# Altium PCB TIVA_3.PcbDoc
Units mm, origin at the board's own origin, x right, y up, seen from the top; angles counter-clockwise.
Board outline 50.8 x 66.04 mm, 2 copper layers (Top Layer, Bottom Layer); 44 components, 58 nets, 211 pads, 84 vias.
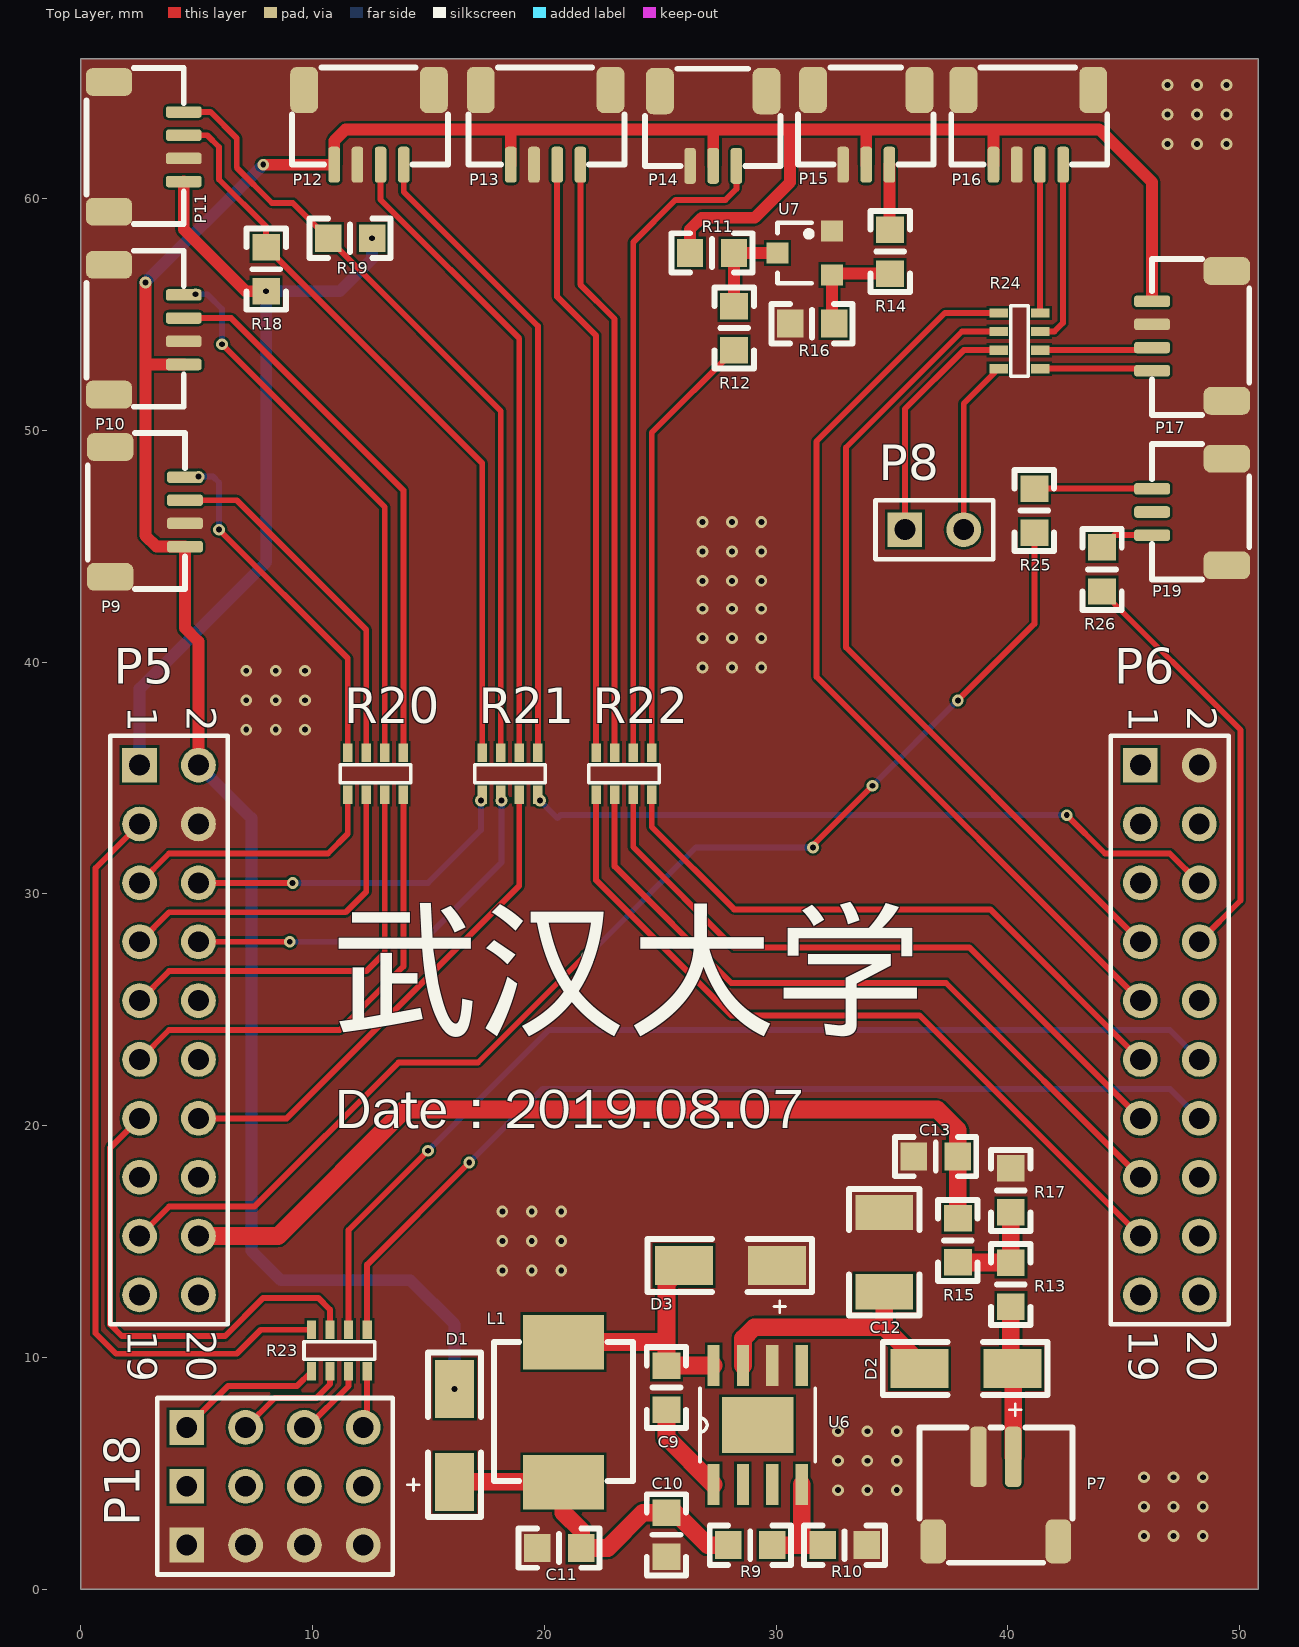
[diagram p0: Top Layer view]
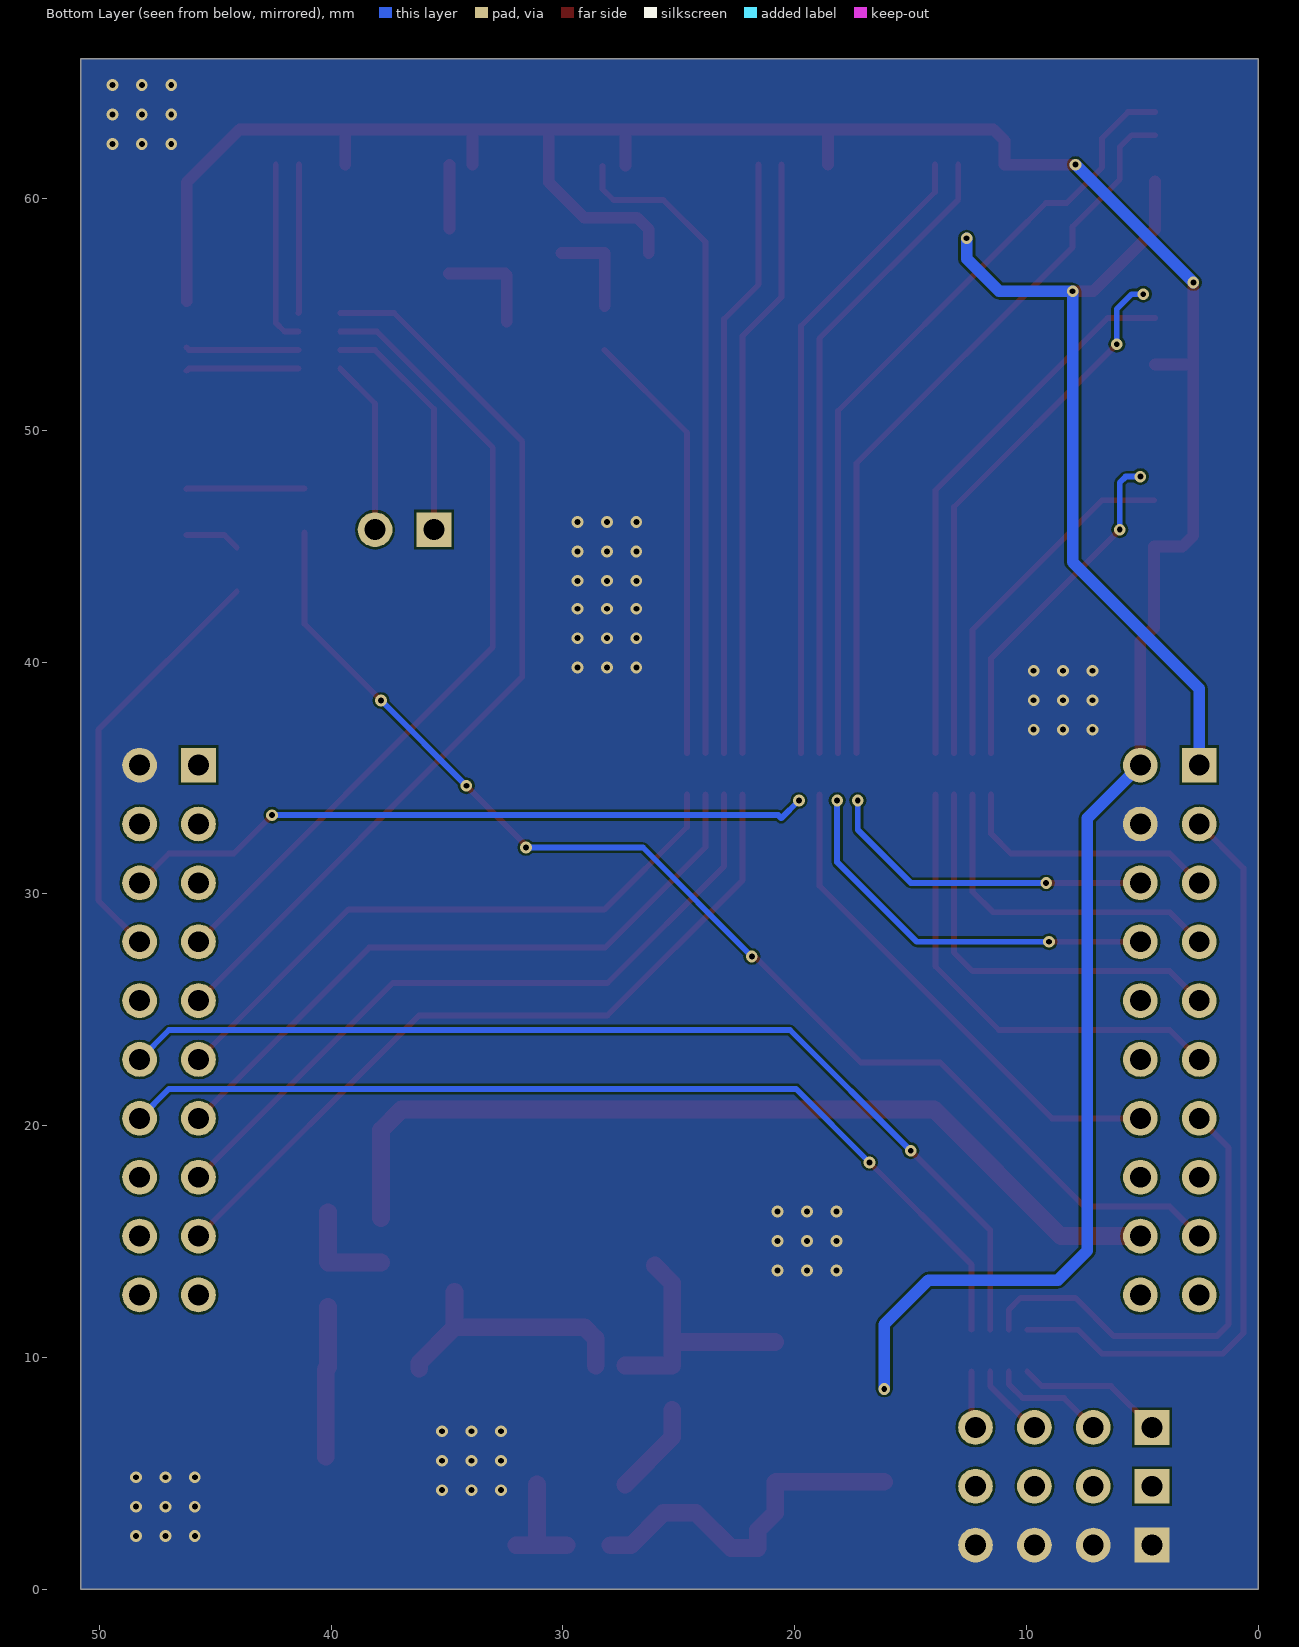
[diagram p1: Bottom Layer view, seen from below]

## Layer stack, top to bottom
Top Solder: solder mask 0.0102, Solder Resist, Dk 3.5
Top Layer: signal copper 0.0356
Dielectric 1: dielectric 0.32, FR-4, Dk 4.8
Bottom Layer: signal copper 0.0356
Bottom Solder: solder mask 0.0102, Solder Resist, Dk 3.5

## Board outline
0,0 50.8,0 50.8,66.04 0,66.04

## Design rules (kind name [scope] priority, off if disabled: settings)
Clearance [All] p1: gap=0.1 ignorepadtopadclearanceinfootprint=FALSE except(0: Arc-Hole Track-Hole SMDPad-Hole THPad-Hole Via-Hole Fill-Hole Poly-Hole Region-Hole Text-Hole)
HoleToHoleClearance [All] p1: gap=0.102 allowstackedmicrovias=TRUE
MinimumSolderMaskSliver [All] p1: minsoldermaskwidth=0.051
PlaneClearance [All] p1: clearance=0.254
PlaneConnect [All] p1: planeconnectstyle=Direct reliefexpansion=0.508 reliefentries=4 reliefconductorwidth=0.254 reliefairgap=0.254
PolygonConnect [All] p1: connectstyle=Direct reliefconductorwidth=0.254 reliefentries=4 polygonreliefangle="90 Angle" airgapwidth=0.254
RoutingVias [All] p1: holewidth=0.254 width=0.508 viastyle="Through Hole" minholewidth=0.051 minwidth=0.127 maxholewidth=0.711 maxwidth=1.27
SilkToSilkClearance [All] p1: silktosilkclearance=0
SilkToSolderMaskClearance [IsPad] p1: minsilkscreentomaskgap=0 clearancetoexposedcopper=TRUE
SolderMaskExpansion [All] p1: expansion=0.102
Width [All] p1: maxlimit=0.762 minlimit=0.127 preferedwidth=0.254 minimp=50.000000 maximp=50.000000 favimp=50.000000
24 further rules are at their usual default settings.

## Components (designator, comment, footprint, x,y, rotation, side; value= is the part's Value field where it differs from the comment)
C9 "10n" C_0805 25.273,9.652 r270 top
C10 "47u" C_0805 25.273,1.402 r90 top
C11 "10u" C_0805 19.69,1.778 r0 top
C12 "100u" C_1210 34.671,16.256 r270 top
C13 "0.1u" C_0805 35.941,18.669 r0 top
D1 "IN5819" SMA_SS14 16.129,4.636 r90 top
D2 "IN5819" SMA_SS14 40.195,9.525 r180 top
D3 "IN5819" SMA_SS14 30.035,13.97 r180 top
L1 "22u" L_06030 20.828,10.668 r270 top
P5 "Header 10X2" HDR2X10 2.54,35.56 r270 top
P6 "Header 10X2" HDR2X10 45.72,35.56 r270 top
P7 "ZH1.5_2P" ZH1.5_2P 38.735,5.715 r0 top
P8 "Header 2" HDR1X2 35.56,45.72 r0 top
P9 "UART1" SH1.0_4p 4.495,47.988 r270 top
P10 "UART2" SH1.0_4p 4.445,55.848 r270 top
P11 "IIC" SH1.0_4p 4.445,63.738 r270 top
P12 "UART3" SH1.0_4p 13.938,61.468 r180 top
P13 "UART4" SH1.0_4p 21.558,61.468 r180 top
P14 "SH1.0_3P" SH1.0_3P 28.291,61.418 r180 top
P15 "SH1.0_3P" SH1.0_3P 34.893,61.468 r180 top
P16 "UART5" SH1.0_4p 42.386,61.468 r180 top
P17 "UART6" SH1.0_4p 46.228,52.578 r90 top
P18 "HDR_3X4" HDR3X4 4.572,6.985 r0 top
P19 "SH1.0_3P" SH1.0_3P 46.228,45.482 r90 top
R9 "50k" R_0805 29.84,1.905 r180 top
R10 "15k" R_0805 33.909,1.905 r180 top
R11 "10k" R_0805 28.189,57.658 r180 top
R12 "1k" R_0805 28.194,55.367 r270 top
R13 "10k" R_0805 40.132,14.097 r270 top
R14 "1k" R_0805 34.925,56.769 r90 top
R15 "1k" R_0805 37.846,16.002 r270 top
R16 "1k" R_0805 32.507,54.61 r180 top
R17 "1k" R_0805 40.132,18.161 r270 top
R18 "10k" R_0805 8.001,57.907 r270 top
R19 "10k" R_0805 10.673,58.293 r0 top
R20 "1k" HDR_R_4 12.973,38.365 r90 top
R21 "1k" HDR_R_4 18.777,38.365 r90 top
R22 "1k" HDR_R_4 23.692,38.365 r90 top
R23 "1k" HDR_R_4 10.903,7.123 r270 top
R24 "1k" HDR_R_4 43.677,53.613 r0 top
R25 "1k" R_0805 41.148,45.593 r90 top
R26 "1k" R_0805 44.069,43.053 r90 top
U6 "TPS5430_DDA_8" DDA8_3P1X2P4 29.21,7.087 r90 top value=Value
U7 "SI2310" SOT_23 31.369,57.785 r180 top

## Footprints (in the part's own frame and the unit in brackets; to place one, negate y for a bottom-side part, rotate by r counter-clockwise, add the part's x,y. Pads: shape width x height; smd on the part's side, far side on the other; paste and mask are expansions set on the pad)
C_0805 [mm]
  rect 1.14x1.2 smd: 1(0,0) 2(1.9,0)
  silkscreen extent -0.8,-0.85 2.7,0.85
C_1210 [mm] "100u"
  rect 1.52x2.5 smd: 1(0,0) 2(3.42,0)
  silkscreen extent -1.02,-1.52 4.44,1.52
DDA8_3P1X2P4 [mil]
  rect 70x21 smd: 1(-101,75) 2(-101,25) 3(-101,-25) 4(-101,-75) 5(101,-75) 6(101,-25) 7(101,25) 8(101,75)
  rect 94.49x122.05 smd paste-60.52: EPAD(0,0)
  silkscreen extent -62,-98 62,98, body extent -122,-98 122,98, height 66
HDR1X2 [mm] "Connector; Header; 2 Position"
  rect 1.5x1.5 hole 0.9: 1(0,0)
  round 1.5 hole 0.9: 2(2.54,0)
  silkscreen extent -1.27,-1.27 3.81,1.27
HDR2X10 [mm] "Connector; Header; 10x2 Position"
  rect 1.5x1.5 hole 0.9: 1(0,0)
  round 1.5 hole 0.9: 2(0,2.54) 3(2.54,0) 4(2.54,2.54) 5(5.08,0) 6(5.08,2.54) 7(7.62,0) 8(7.62,2.54) 9(10.16,0) 10(10.16,2.54) 11(12.7,0) 12(12.7,2.54) 13(15.24,0) 14(15.24,2.54) 15(17.78,0) 16(17.78,2.54) 17(20.32,0) 18(20.32,2.54) 19(22.86,0) 20(22.86,2.54)
  silkscreen extent -1.27,-1.27 24.13,3.81
HDR3X4 [mm]
  rect 1.5x1.5 hole 0.9: 1(0,0) 5(0,-2.54) 9(0,-5.08)
  round 1.5 hole 0.9: 2(2.54,0) 3(5.08,0) 4(7.62,0) 6(2.54,-2.54) 7(5.08,-2.54) 8(7.62,-2.54) 10(2.54,-5.08) 11(5.08,-5.08) 12(7.62,-5.08)
  silkscreen extent -1.27,-6.35 8.89,1.27
HDR_R_4 [mm]
  rect 0.8x0.4 smd: 1(-4.075,1.454) 2(-4.075,0.654) 3(-4.075,-0.146) 4(-4.075,-0.946) 5(-2.275,1.454) 6(-2.275,0.654) 7(-2.275,-0.146) 8(-2.275,-0.946)
  silkscreen extent -3.56,-1.27 -2.79,1.78, body extent -3.94,-1.35 -2.34,1.85, height 0.59
L_06030 [mm]
  rect 2.35x3.5 smd: 1(0,0) 2(6.05,0)
  silkscreen extent 0,-3 6,3
R_0805 [mm]
  rect 1.14x1.2 smd: 1(0,0) 2(1.9,0)
  silkscreen extent -0.8,-0.85 2.7,0.85
SH1.0_3P [mm]
  rrect50% 0.5x1.55 smd: 1(0,0) 2(1,0) 3(2,0)
  rrect50% 1.2x2 smd: 4(-1.3,-3.225) 5(3.3,-3.225)
  silkscreen extent -1.91,-4.19 3.94,0
SH1.0_4p [mm]
  rrect50% 0.5x1.55 smd: 1(0,0) 2(1,0) 3(2,0) 4(3,0)
  rrect50% 1.2x2 smd: 5(-1.3,-3.225) 6(4.3,-3.225)
  silkscreen extent -1.91,-4.19 4.83,0
SMA_SS14 [mm]
  rect 2.5x1.7 smd: 1(0,0) 2(4,0)
  silkscreen extent -1.52,-1.14 5.59,2.03
SOT_23 [mm]
  rect 0.95x0.9 smd: 1(-1.048,1.077) 2(-1.048,-0.823) 3(1.302,0.127)
  silkscreen extent -0.17,-1.17 1.3,1.43, body extent -1.2,-1.37 1.3,1.63, height 1.12
ZH1.5_2P [mm]
  rrect50% 0.7x2.6 smd: 1(0,0) 2(1.5,0)
  rrect50% 1.1x1.9 smd: 3(-1.95,-3.65) 4(3.45,-3.65)
  silkscreen extent -2.54,-4.57 4.06,1.27

## Part data
C9 C10 C11 C13: library part C_0805
C12: library part C_1210
L1: library part L_06030
P5 P6: "Header, 10-Pin, Dual row", LatestRevisionDate=17-Jul-2002, LatestRevisionNote="Re-released for DXP Platform.", Publisher="Altium Limited"
P8: "Header, 2-Pin", LatestRevisionDate=17-Jul-2002, LatestRevisionNote="Re-released for DXP Platform.", Publisher="Altium Limited"
P9 P10 P12 P13 P16 P17: library part UART
R9 R10 R11 R12 R13 R14 R15 R16 R17 R18 R19 R25 R26: library part R_0805
R20 R21 R22 R23 R24: library part R_4
U6: "Imported", Manufacturer="Texas Instruments", Manufacturer_Part_Number=tps5430_dda_8, PACKAGE_DESIGNATOR=DDA, Datasheet_URL=http://www.ti.com/lit/gpn/TPS5430, FAMILY_NAME="STEP-DOWN REGULATOR", GENERIC_PART_NUMBER=TPS5430, INDUSTRY_STD_PKG_TYPE="SO PowerPAD", PIN_COUNT=8, RefDes=RefDes, Type=Type, Vendor="Texas Instruments"
U7: library part SI2310_2

## Via types
v1: diameter 0.508, hole 0.254, Top Layer to Bottom Layer, 84 vias

## Nets (pads, with @x,y where several pads share a name; then routed paths per layer and width w, separated by ;. In a path a pad name is that pad's centre, name@x,y a point inside that pad or via, vN(x,y) a via of type N, cw(c..) or ccw(c..) an arc to the next point about the centre after c; other vN are vias at no path point)
3.3V: P5.1 P11.4 R18.2 R19.2 | length 35.5
  Top Layer w0.508: P11.4 4.445,58.674 7.112,56.007 v1(8.001,56.007)
  Bottom Layer w0.508: P5.1 2.54,38.862 8.001,44.323 v1(8.001,56.007) 11.176,56.007 12.573,57.404 v1(12.573,58.293)
GND: C10.1 C11.1 C12.1 C13.1 D3.1 P5.4 P6.2 P7.1 P7.3 P7.4 P9.3 P9.5 P9.6 P10.3 P10.5 P10.6 P11.3 P11.5 P11.6 P12.3 P12.5 P12.6 P13.3 P13.5 P13.6 P14.3 P14.4 P14.5 P15.3 P15.4 P15.5 P16.3 P16.5 P16.6 P17.3 P17.5 P17.6 P18.9 P18.10 P18.11 P18.12 P19.4 P19.5 R10.1 R16.2 R17.1 U6.6 U7.2
  other v1: 45.878,2.293 47.148,2.293 48.418,2.293 45.878,3.563 47.148,3.563 48.418,3.563 32.67,4.276 33.94,4.276 35.21,4.276 45.878,4.833 47.148,4.833 48.418,4.833 32.67,5.546 33.94,5.546 35.21,5.546 32.67,6.816 33.94,6.816 35.21,6.816 18.192,13.756 19.462,13.756 20.732,13.756 18.192,15.026 19.462,15.026 20.732,15.026 18.192,16.296 19.462,16.296 20.732,16.296 7.143,37.091 8.413,37.091 9.683,37.091 7.143,38.361 8.413,38.361 9.683,38.361 7.143,39.631 8.413,39.631 9.683,39.631 26.828,39.77 28.098,39.77 29.368,39.77 26.828,41.04 28.098,41.04 29.368,41.04 26.828,42.31 28.098,42.31 29.368,42.31 26.828,43.513 28.098,43.513 29.368,43.513 26.828,44.783 28.098,44.783 29.368,44.783 26.828,46.053 28.098,46.053 29.368,46.053 46.894,62.364 48.164,62.364 49.434,62.364 46.894,63.634 48.164,63.634 49.434,63.634 46.894,64.904 48.164,64.904 49.434,64.904
I2C_SCL: P11.2 R18.1 R21.5 | length 32.6
  Top Layer w0.254: P11.2 5.461,62.738 5.969,62.23 5.969,60.833 8.001,58.801 R18.1 17.323,48.585 R21.5
I2C_SDA: P11.1 R19.1 R21.6 | length 34.5
  Top Layer w0.254: P11.1 5.604,63.738 6.731,62.611 6.731,61.341 8.255,59.817 9.149,59.817 R19.1 18.123,50.843 R21.6
NetC9_1: C9.1 D3.2 L1.1 U6.8 | length 11.2
  Top Layer w0.762: L1.1 25.146,10.668 25.273,10.795 ; D3.2 25.273,13.208 25.273,10.795 ; U6.8 C9.1 25.273,10.795
NetC9_2: C9.2 U6.1 | length 4.1
  Top Layer w0.762: C9.2 25.273,6.553 U6.1
NetC10_2: C10.2 C11.2 D1.1 L1.2 R9.2 | length 15.4
  Top Layer w0.762: D1.1 20.81,4.636 L1.2 20.828,3.302 21.59,2.54 C11.2 22.733,1.778 24.257,3.302 C10.2 25.654,3.302 27.051,1.905 R9.2
NetP19_1: P19.1 R26.2 | length 2.4
  Top Layer w0.254: R26.2 44.598,45.482 P19.1
NetP19_3: P19.3 R25.2 | length 5.1
  Top Layer w0.254: R25.2 46.217,47.493 P19.3
NetR9_1: R9.1 R10.2 U6.4 | length 4.8
  Top Layer w0.762: R9.1 31.115,1.905 ; U6.4 31.115,1.905 ; R10.2 31.115,1.905
NetR11_1: R11.1 R12.1 U7.3 | length 4.2
  Top Layer w0.254: R12.1@28.189,55.372 R12.1
  Top Layer w0.508: R12.1@28.189,55.372 R11.1 U7.3
NetR13_1: R13.1 R15.2 R17.2 | length 4.4
  Top Layer w0.762: R15.2 40.127,14.102 40.132,14.107 R17.2
NetR14_1: R14.1 R16.1 U7.1 | length 4.7
  Top Layer w0.254: R16.1@32.417,54.7 R16.1 ; U7.1 U7.1@32.478,56.769
  Top Layer w0.508: R16.1@32.417,54.7 U7.1 ; U7.1@32.478,56.769 R14.1
PA0_U0RX: P8.2 R24.4 | length 7.6
  Top Layer w0.254: P8.2 38.1,51.165 R24.4
PA1_U0TX: P8.1 R24.3 | length 10.3
  Top Layer w0.254: P8.1 35.56,50.927 38.1,53.467 R24.3
PA6: P5.17 R25.1 | length 53.5
  Top Layer w0.254: P5.17 3.81,16.51 7.493,16.51 13.716,22.733 17.145,22.733 21.717,27.305 v1(21.844,27.305) ; v1(31.593,32.004) 31.593,32.101 v1(34.163,34.671) ; v1(37.846,38.354) 41.148,41.656 R25.1
  Bottom Layer w0.254: v1(21.844,27.305) 26.543,32.004 v1(31.593,32.004) ; v1(34.163,34.671) v1(37.846,38.354)
PB0_U1RX: P5.5 R20.1 | length 11.5
  Top Layer w0.254: P5.5 3.81,31.75 10.668,31.75 11.519,32.601 R20.1
PB1_U1TX: P5.7 R20.2 | length 14.9
  Top Layer w0.254: P5.7 3.81,29.21 11.43,29.21 12.319,30.099 R20.2
PB4_PWMOUT2: P5.13 R23.3 | length 20.9
  Top Layer w0.254: P5.13 1.27,19.05 1.27,11.43 1.778,10.922 6.223,10.922 7.874,12.573 10.249,12.573 10.757,12.065 R23.3
PB5_PWMOUT3: P5.3 R23.4 | length 32.9
  Top Layer w0.254: P5.3 0.635,31.115 0.635,11.049 1.524,10.16 6.731,10.16 7.769,11.198 R23.4
PB6_PWMOUT0: P6.14 R23.1 | length 42.4
  Top Layer w0.254: R23.1 12.357,14.008 v1(16.764,18.415)
  Bottom Layer w0.254: v1(16.764,18.415) 19.939,21.59 46.99,21.59 P6.14
PB7_PWMOUT1: P6.12 R23.2 | length 45.1
  Top Layer w0.254: R23.2 11.557,15.494 v1(14.986,18.923)
  Bottom Layer w0.254: v1(14.986,18.923) 20.193,24.13 46.99,24.13 P6.12
PC4_U4RX: P6.7 R24.2 | length 35.2
  Top Layer w0.254: R24.2 38.024,54.267 33.02,49.263 33.02,40.64 P6.7
PC5_U4TX: P6.9 R24.1 | length 40.1
  Top Layer w0.254: R24.1 37.287,55.067 31.75,49.53 31.75,39.37 P6.9
PC6_U3RX_SBUS: P6.11 R22.4 | length 26.6
  Top Layer w0.254: R22.4 24.638,32.893 28.194,29.337 39.243,29.337 P6.11
PC7_U3TX_PPM: P6.13 R22.3 | length 29
  Top Layer w0.254: R22.3 23.838,32.028 28.18,27.686 38.354,27.686 P6.13
PD0_I2C3_SCL: P5.6 R21.1 | length 14.4
  Top Layer w0.254: P5.6 v1(9.144,30.48)
  Bottom Layer w0.254: v1(9.144,30.48) 14.986,30.48 17.272,32.766 v1(17.272,34.036)
PD1_I2C3_SDA: P5.8 R21.2 | length 17.2
  Top Layer w0.254: P5.8 v1(9.017,27.94)
  Bottom Layer w0.254: v1(9.017,27.94) 14.732,27.94 18.161,31.369 v1(18.161,34.036)
PD6_U2RX: P6.15 R22.2 | length 31.3
  Top Layer w0.254: R22.2 23.038,31.191 28.067,26.162 37.338,26.162 P6.15
PD7_U2TX: P6.17 R22.1 | length 33.5
  Top Layer w0.254: R22.1 22.238,30.594 28.067,24.765 36.195,24.765 P6.17
PE0_U7RX: P6.6 R21.4 | length 30
  Top Layer w0.254: v1(42.545,33.401) 44.196,31.75 46.99,31.75 P6.6
  Bottom Layer w0.254: v1(19.812,34.036) 20.574,33.274 20.701,33.401 v1(42.545,33.401)
PE1_U7TX: P5.14 R21.3 | length 21.9
  Top Layer w0.254: P5.14 8.89,20.32 18.923,30.353 R21.3
PE3_PowerInput: C13.2 P5.18 R15.1 | length 39.2
  Top Layer w0.762: P5.18 8.509,15.24 13.97,20.701 36.957,20.701 37.841,19.817 C13.2 37.846,18.664 R15.1
PE4_U5RX: P5.9 R20.3 | length 18.3
  Top Layer w0.254: P5.9 3.81,26.67 12.319,26.67 13.119,27.47 R20.3
PE5_U5TX: P5.11 R20.4 | length 20.5
  Top Layer w0.254: P5.11 3.81,24.13 11.176,24.13 13.919,26.873 R20.4
PF0: P6.8 R26.1 | length 18.3
  Top Layer w0.254: R26.1 50.038,37.084 50.038,29.718 P6.8
PPM_IN: P14.1 R22.7 | length 28.4
  Top Layer w0.254: R22.7 23.838,58.123 25.659,59.944 27.813,59.944 28.291,60.422 P14.1
PWMOUT0: P18.4 R23.5 | length 2.5
  Top Layer w0.254: P18.4 12.357,7.15 R23.5
PWMOUT1: P18.3 R23.6 | length 3.3
  Top Layer w0.254: P18.3 9.779,6.985 11.557,8.763 R23.6
PWMOUT2: P18.2 R23.7 | length 5
  Top Layer w0.254: P18.2 8.382,8.255 10.16,8.255 10.757,8.852 R23.7
PWMOUT3: P18.1 R23.8 | length 6.4
  Top Layer w0.254: P18.1 6.35,8.763 9.322,8.763 R23.8
SBUS_IN: P15.1 R14.2 | length 2.8
  Top Layer w0.254: R14.2@34.893,58.701 R14.2
  Top Layer w0.508: R14.2@34.893,58.701 P15.1
U3RX_SBUS: R12.2 R22.8 | length 18.8
  Top Layer w0.254: R22.8 24.638,49.911 R12.2
UART1_RX: P9.1 R20.5 | length 15
  Top Layer w0.254: v1(5.969,45.72) 11.519,40.17 R20.5
  Bottom Layer w0.254: v1(5.08,48.006) 5.715,48.006 5.969,47.752 v1(5.969,45.72)
UART1_TX: P9.2 R20.6 | length 15.4
  Top Layer w0.254: P9.2 6.733,46.988 12.319,41.402 R20.6
UART2_RX: P10.1 R20.7 | length 23.5
  Top Layer w0.254: v1(6.096,53.721) 13.119,46.698 R20.7
  Bottom Layer w0.254: v1(4.953,55.88) 5.461,55.88 6.096,55.245 v1(6.096,53.721)
UART2_TX: P10.2 R20.8 | length 23.9
  Top Layer w0.254: P10.2 6.493,54.848 13.919,47.422 R20.8
UART3_RX: P12.1 R21.8 | length 27.8
  Top Layer w0.254: P12.1 13.938,60.291 19.723,54.506 R21.8
UART3_TX: P12.2 R21.7 | length 27.9
  Top Layer w0.254: P12.2 12.938,59.96 18.923,53.975 R21.7
UART4_RX: P13.1 R22.6 | length 26
  Top Layer w0.254: P13.1 21.558,56.293 23.038,54.813 R22.6
UART4_TX: P13.2 R22.5 | length 26.1
  Top Layer w0.254: P13.2 20.558,55.769 22.238,54.089 R22.5
UART5_RX: P16.1 R24.6 | length 8
  Top Layer w0.254: R24.6 42.011,54.267 42.386,54.642 P16.1
UART5_TX: P16.2 R24.5 | length 6.4
  Top Layer w0.254: P16.2 41.386,55.083 R24.5
UART6_RX: P17.1 R24.8 | length 4.9
  Top Layer w0.254: R24.8 46.139,52.667 P17.1
UART6_TX: P17.2 R24.7 | length 4.9
  Top Layer w0.254: R24.7 46.117,53.467 P17.2
VBUS: D1.2 P5.2 P9.4 P10.4 P12.4 P13.4 P14.2 P15.2 P16.4 P17.4 R11.2 | length 126.4
  Top Layer w0.508: v1(2.794,56.388) 2.794,52.832 ; P10.4 2.81,52.848 2.794,52.832 ; P5.2 5.08,40.894 4.495,41.479 P9.4 3.272,44.988 2.794,45.466 2.794,52.832 ; v1(7.874,61.468) P12.4 10.938,62.5 11.43,62.992 18.542,62.992 ; P13.4 18.558,62.976 18.542,62.992 ; R11.2 26.289,58.674 26.797,59.182 29.083,59.182 30.607,60.706 30.607,62.992 ; P14.2 27.291,62.978 27.305,62.992 ; P15.2 33.893,62.976 33.909,62.992 ; P16.4 39.386,62.976 39.37,62.992 ; P17.4 46.228,60.706 43.942,62.992 39.37,62.992 ; 18.542,62.992 27.305,62.992 ; 27.305,62.992 30.607,62.992 ; 30.607,62.992 33.909,62.992 ; 33.909,62.992 39.37,62.992
  Bottom Layer w0.508: v1(2.794,56.388) v1(7.874,61.468) ; P5.2 7.366,33.274 7.366,14.605 8.636,13.335 14.224,13.335 16.129,11.43 v1(16.129,8.636)
VCC_12V: D2.1 P7.2 R13.2 | length 6.5
  Top Layer w0.762: R13.2 40.132,9.588 D2.1 40.235,9.485 P7.2
VCC_IN: C12.2 D2.2 U6.7 | length 11.4
  Top Layer w0.762: U6.7 28.575,10.817 29.061,11.303 34.671,11.303 ; C12.2 34.671,11.303 ; D2.2 36.195,9.779 34.671,11.303
pads on no net: P5.10 P5.12 P5.15 P5.16 P5.19 P5.20 P6.1 P6.3 P6.4 P6.5 P6.10 P6.16 P6.18 P6.19 P6.20 P18.5 P18.6 P18.7 P18.8 P19.2 U6.2 U6.3 U6.5 U6.EPAD

## Polygon pours and split planes (outlines as drawn)
GND on Top Layer "GND_L01_P002" (solid, remove dead copper, pour order 2): 0,0 50.8,0 50.8,66.04 0,66.04
GND on Bottom Layer "GND_L02_P003" (solid, remove dead copper, pour order 3): 0,0 50.8,0 50.8,66.04 0,66.04

## Silkscreen, mask and mechanical layers (free items; w line width, h text height)
Top Overlay:
  text "武汉大学" at 10.795,22.897 h8
  text "Date：2019.08.07" at 10.971,19.304 h3
Bottom Solder:
  the board outline again, w0.254

## Text inside footprints (layer, text, board x,y; h text height)
P5: Top Overlay "2" at 4.572,38.1 h1.27 r270; Top Overlay "1" at 2.032,38.1 h1.27 r270; Top Overlay "19" at 2.032,11.176 h1.27 r270; Top Overlay "20" at 4.572,11.176 h1.27 r270
P6: Top Overlay "2" at 47.752,38.1 h1.27 r270; Top Overlay "1" at 45.212,38.1 h1.27 r270; Top Overlay "19" at 45.212,11.176 h1.27 r270; Top Overlay "20" at 47.752,11.176 h1.27 r270